# Altium PCB Evaluation Board.PcbDoc (part 3 of 22) (continued)
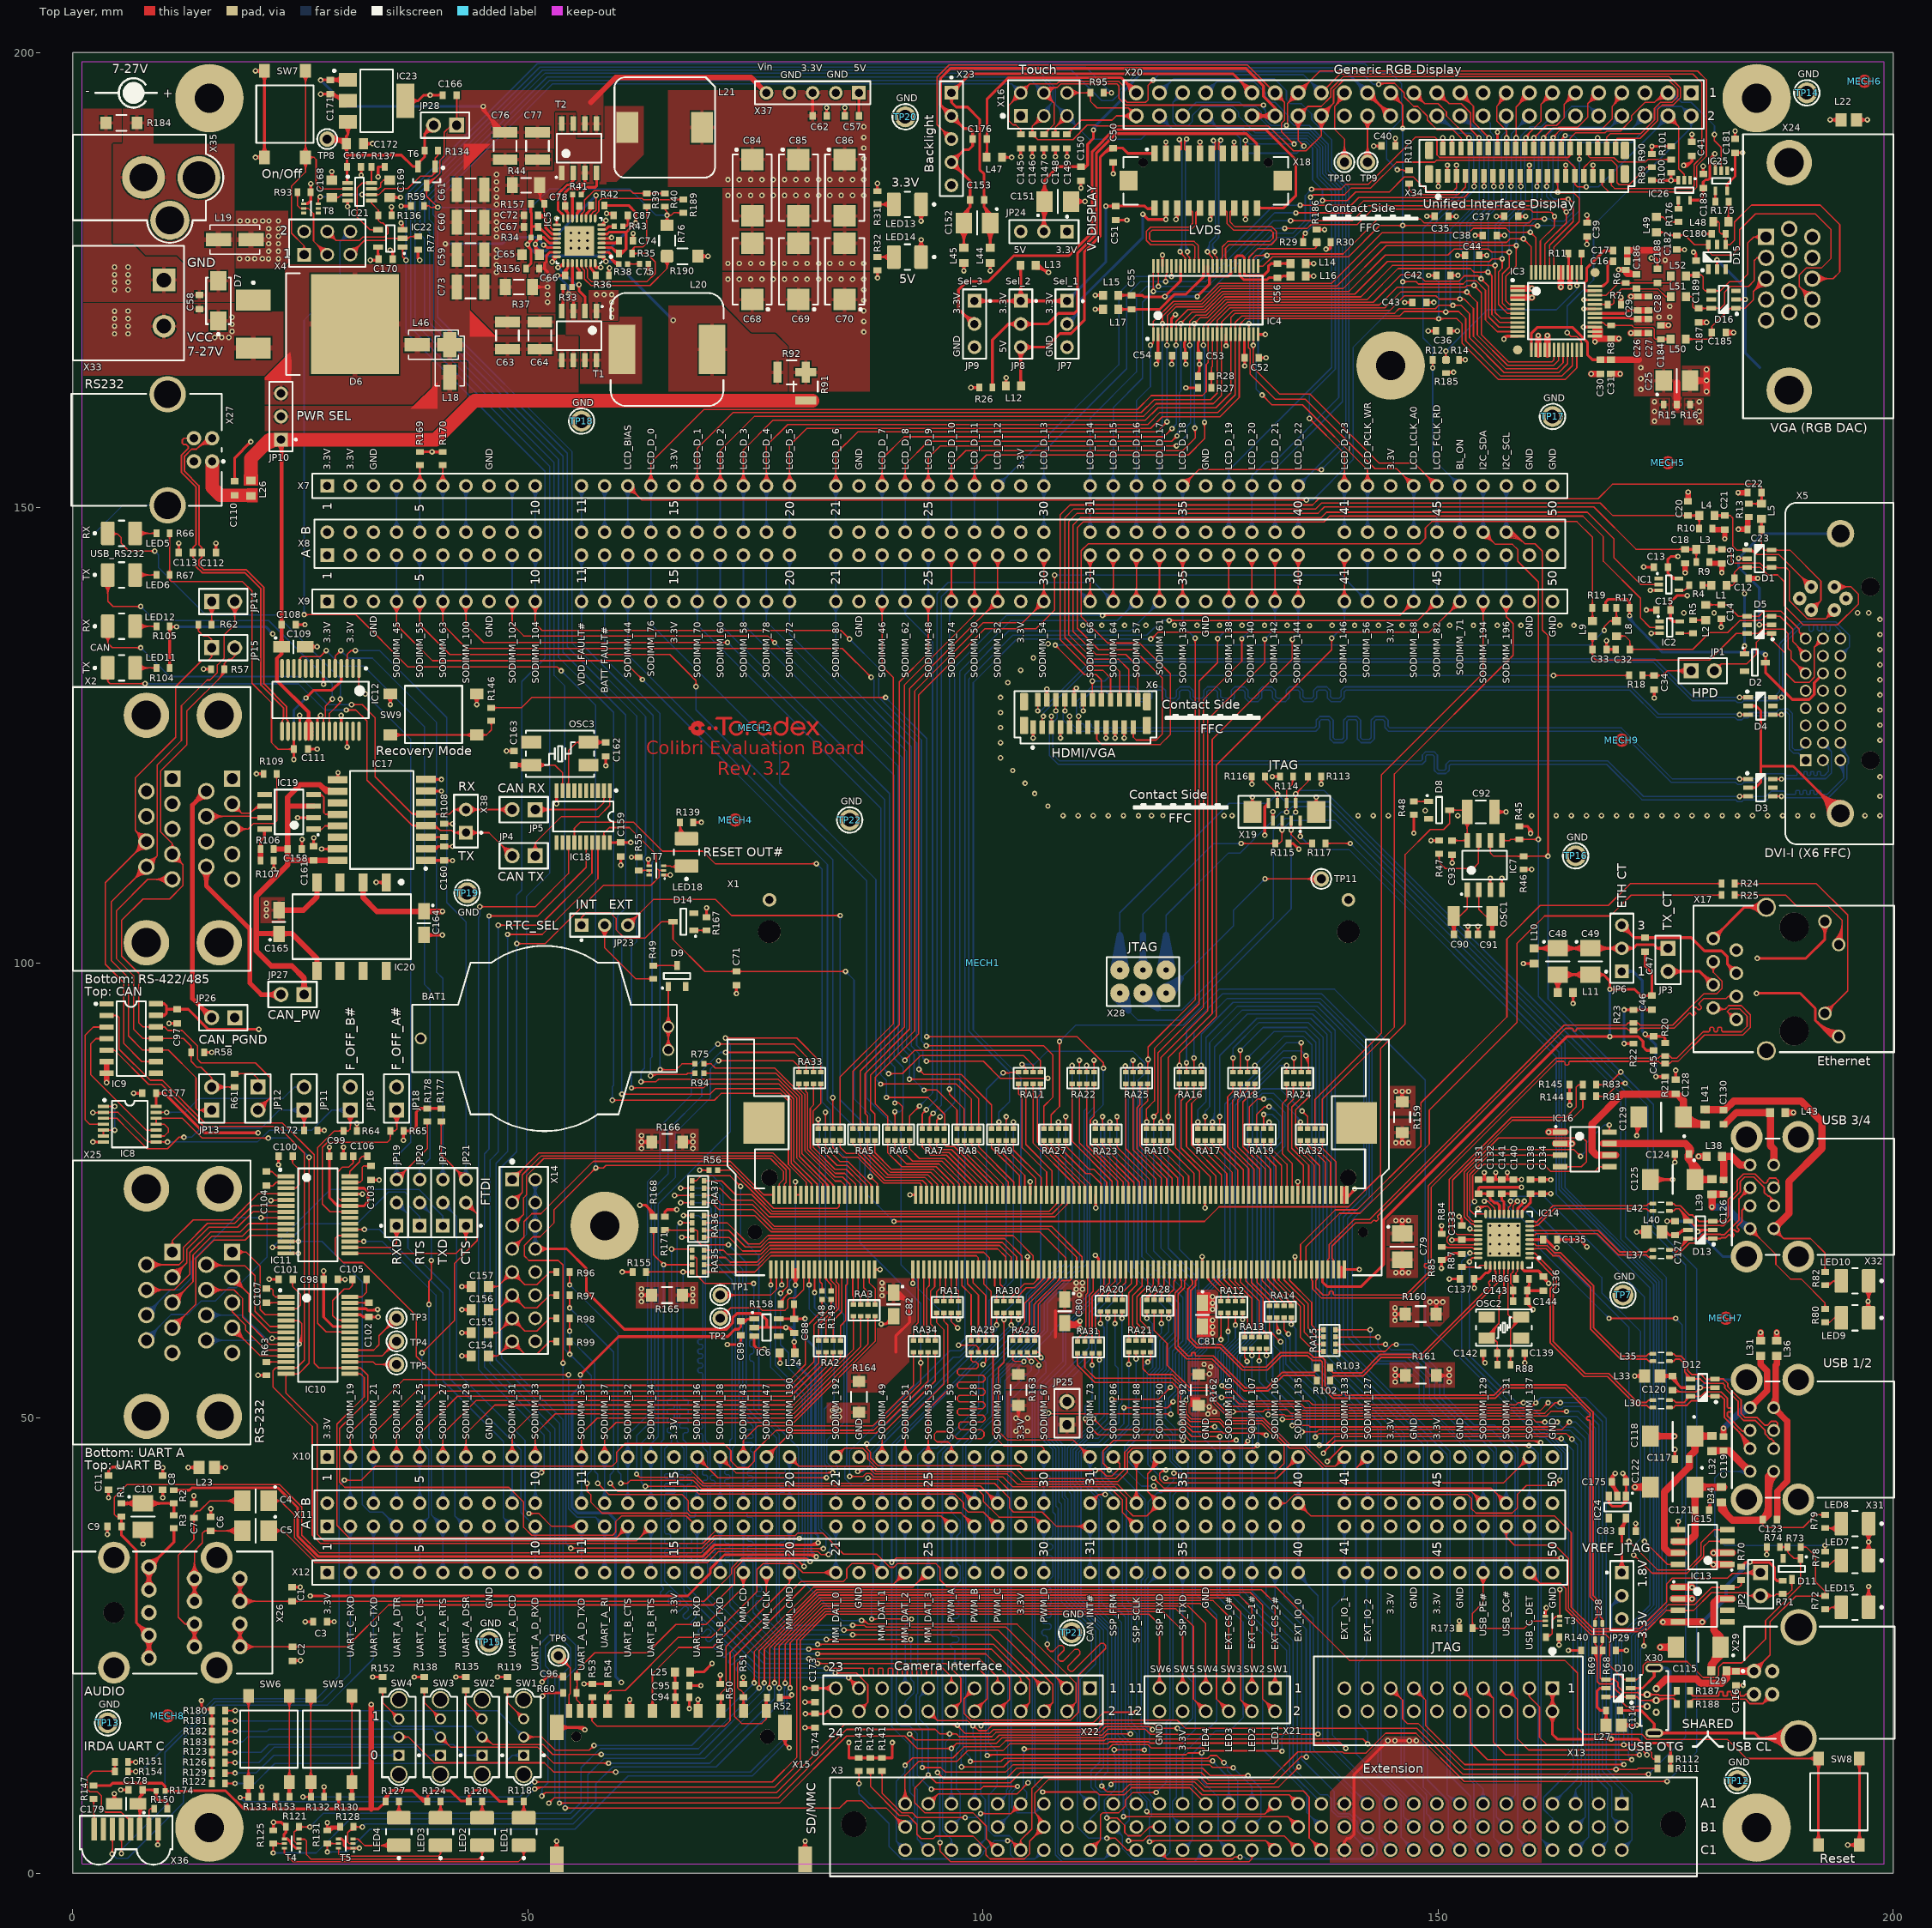
[diagram p0: Top Layer view]
## Nets (pads, with @x,y where several pads share a name; then routed paths per layer and width w, separated by ;. In a path a pad name is that pad's centre, name@x,y a point inside that pad or via, vN(x,y) a via of type N, cw(c..) or ccw(c..) an arc to the next point about the centre after c; other vN are vias at no path point) (continued)
ccw(c149.315,176.009) C42.2@149.657,175.667 ; v1@149.694,62.853 cw(c149.438,63.109) 149.438,62.747 cw(c149.438,62.385) 149.694,62.641 cw(c149.438,62.385) 149.8,62.385 cw(c150.162,62.385) 149.906,62.641 cw(c150.162,62.385) 150.162,62.747 cw(c150.162,63.109) v1@149.906,62.853 ; R160.1@149.8,61.625 v1(149.8,62.747) ; v1@149.8,62.542 ccw(c150.798,62.542) R160.1@150.092,61.836 ; R47.2@149.89,113.313 ccw(c149.592,113.014) 149.592,113.436 ccw(c149.592,113.859) R47.2@149.89,113.56 ; R161.1@150.09,54.677 v1(151.212,54.677) ; R161.1@150.115,54.357 cw(c150.888,53.584) 150.888,54.677 ; R161.1@150.115,54.993 ccw(c150.879,55.757) 150.879,54.677 ; R84.2@150.244,70.371 ccw(c149.946,70.669) 150.368,70.669 ccw(c150.79,70.669) R84.2@150.492,70.371 ; v1@150.269,71.019 cw(c150.03,70.78) 150.368,70.78 ; R84.2@150.368,70.247 150.368,71.118 v1(150.375,71.125) ; 150.368,70.746 cw(c150.754,70.746) v1@150.481,71.019 ; v1@150.394,62.641 ccw(c150.138,62.385) 150.138,62.747 ccw(c150.138,63.109) v1@150.394,62.853 ; v1(150.5,62.747) v1(149.8,62.747) ; X34.3@150.91,187.016 ccw(c150.654,187.272) 151.016,187.272 ccw(c151.378,187.272) X34.3@151.122,187.016 ; X34.3@151.016,186.46 v2@151.016,187.619 ; v1@151.106,54.083 ccw(c150.85,54.339) 151.212,54.339 ccw(c151.574,54.339) v1@151.318,54.083 ; v1@151.106,55.271 cw(c150.85,55.015) 151.212,55.015 cw(c151.574,55.015) v1@151.318,55.271 ; v1(151.212,53.977) v1(151.212,54.677) ; v1(151.212,55.377) v1(151.212,54.677) ; v1@151.318,54.571 ccw(c151.574,54.315) 151.212,54.315 ccw(c150.85,54.315) 151.106,54.571 ccw(c150.85,54.315) 150.85,54.677 ccw(c150.85,55.039) 151.106,54.783 ccw(c150.85,55.039) 151.212,55.039 ccw(c151.574,55.039) v1@151.318,54.783 ; X34.4@151.41,190.016 ccw(c151.154,190.272) 151.516,190.272 ccw(c151.878,190.272) X34.4@151.622,190.016 ; v1@151.475,69.6 151.475,69.586 v1(151.507,69.553) 151.554,69.6 C133.2@152.6,69.6 ; X34.4@151.516,189.46 v1@151.516,190.619 ; v1@151.613,69.447 cw(c151.982,69.079) 151.982,69.6 ; v1(152.13,177.721) 152.133,177.724 C44.2@152.96,177.724 ; R14.1@152.3,166.25 v1@152.965,166.25 ; C133.2@152.384,69.459 ccw(c152.042,69.117) 152.042,69.6 ccw(c152.042,70.083) C133.2@152.384,69.741 ; R14.1@152.424,166.126 cw(c152.722,165.828) 152.722,166.25 cw(c152.722,166.673) R14.1@152.424,166.374 ; C133.2@152.6,69.595 IC14.23@154.402,69.595 ; C133.2@152.816,69.459 cw(c153.145,69.13) 153.145,69.595 ; C133.2@152.816,69.741 ccw(c153.171,70.096) 153.171,69.595 ; C44.2@152.819,177.583 ccw(c152.477,177.241) 152.477,177.724 ccw(c152.477,178.207) C44.2@152.819,177.865 ; C137.2@153.796,65.062 cw(c153.454,64.72) 153.937,64.72 cw(c154.42,64.72) C137.2@154.078,65.062 ; v1(153.975,64.275) 153.937,64.313 C137.2@153.937,65.278 154.559,65.278 155.219,65.938 155.473,65.938 155.727,66.192 IC14.29@155.727,66.77 ; v1(154.068,179.915) 154.071,179.918 C38.2@154.898,179.918 ; C137.2@154.078,65.137 cw(c154.42,64.795) 154.42,65.278 cw(c154.42,65.761) C137.2@154.078,65.419 ; C131.2@154.292,74.792 ccw(c153.95,75.133) 154.433,75.133 ccw(c154.916,75.133) C131.2@154.575,74.792 ; C131.2@154.65,74.509 cw(c154.991,74.168) 154.991,74.651 cw(c154.991,75.133) C131.2@154.65,74.792 ; C38.2@154.757,179.777 ccw(c154.415,179.435) 154.415,179.918 ccw(c154.415,180.401) C38.2@154.757,180.059 ; C132.2@155.448,74.651 C131.2@154.433,74.651 154.433,75.233 154.55,75.35 v1(159.15,75.35) ; C132.2@155.487,74.509 ccw(c155.145,74.168) 155.145,74.651 ccw(c155.145,75.133) C132.2@155.487,74.792 ; 155.549,66.014 ccw(c155.118,66.445) IC14.29@155.727,66.445 ; C132.2@155.562,74.509 cw(c155.22,74.168) 155.703,74.168 cw(c156.186,74.168) C132.2@155.845,74.509 ; C132.2@155.703,74.651 155.703,74.09 156.159,73.635 156.464,73.635 156.727,73.371 IC14.15@156.727,72.42 ; v1@156.406,182.104 v1@156.409,182.107 ; v1@156.409,182.007 C37.2@157.236,182.007 ; C37.2@157.095,181.866 ccw(c156.753,181.524) 156.753,182.007 ccw(c156.753,182.49) C37.2@157.095,182.148 ; R45.2@158.902,115.017 159.803,115.017 ; v1@159.044,75.244 ccw(c158.788,74.988) 158.788,75.35 ccw(c158.788,75.712) v1@159.044,75.456 ; R45.2@159.126,114.894 cw(c159.425,114.595) 159.425,115.017 cw(c159.425,115.44) R45.2@159.126,115.141 ; IC14.36@159.227,66.77 159.227,66.373 159.45,66.15 161.05,66.15 ; IC14.10@159.227,72.42 159.227,72.752 159.7,73.225 159.724,73.225 160.135,73.637 C138.2@160.135,74.651 C134.2@161.437,74.651 v1(162.375,74.65) ; v1(159.352,99.922) L10.1@160.561,99.922 ; R46.2@159.377,110.265 v1(160.278,110.265) ; v1@159.458,99.816 cw(c159.714,99.56) 159.714,99.922 cw(c159.714,100.284) v1@159.458,100.028 ; R46.2@159.601,110.142 cw(c159.9,109.843) 159.9,110.265 cw(c159.9,110.688) R46.2@159.601,110.389 ; C138.2@159.994,74.509 cw(c159.652,74.168) 160.135,74.168 cw(c160.618,74.168) C138.2@160.277,74.509 ; v1@160.005,114.264 ccw(c159.251,114.465) 159.803,115.017 ; v1@160.044,114.331 ccw(c159.788,114.587) 160.15,114.587 ccw(c160.512,114.587) v1@160.256,114.331 ; IC14.5@160.052,69.595 160.053,69.596 C135.2@161.519,69.596 161.87,69.596 ; v1(160.15,114.225) 160.15,114.67 159.803,115.017 ; 160.171,114.65 cw(c159.831,114.31) v1@160.295,114.186 ; L10.1@160.295,99.721 ccw(c159.808,99.234) 159.808,99.922 ccw(c159.808,100.61) L10.1@160.295,100.124 ; C138.2@160.352,74.509 cw(c160.693,74.168) 160.693,74.651 cw(c160.693,75.133) C138.2@160.352,74.792 ; C134.2@161.221,74.509 ccw(c160.879,74.168) 160.879,74.651 ccw(c160.879,75.133) C134.2@161.221,74.792 ; C136.2@161.27,65.56 ccw(c160.515,65.615) 161.05,66.15 ; C135.2@161.378,69.454 ccw(c161.036,69.113) 161.036,69.596 ccw(c161.037,70.078) C135.2@161.378,69.737 ; C134.2@161.654,74.509 cw(c161.995,74.168) 161.995,74.651 cw(c161.995,75.133) C134.2@161.654,74.792 ; C135.2@161.691,69.494 cw(c161.87,69.388) 161.87,69.596 ; C135.2@161.691,69.697 ccw(c161.87,69.803) 161.87,69.596 ; C136.2@161.819,65.545 ccw(c162.852,65.545) v1@162.122,64.814 ; 162.014,74.651 ccw(c162.014,75.011) v1@162.269,74.756 ; v1(162.133,64.803) 161.544,65.392 C136.2@161.544,65.545 161.544,65.656 161.05,66.15 ; v1(163.043,68.707) 162.759,68.707 161.87,69.596 ; R140.2@163.161,25.713 cw(c162.887,25.439) 163.275,25.439 ; v1(163.275,25.075) 163.275,25.949 R140.2@163.284,25.95 ; 163.275,25.39 cw(c163.732,25.39) R140.2@163.409,25.713 ; R140.2@163.285,25.937 R140.2@163.285,25.949 ; C39.2@166.203,179.627 cw(c165.862,179.285) 166.345,179.285 cw(c166.827,179.285) C39.2@166.486,179.627 ; C39.2@166.345,179.768 166.345,178.941 v1(166.348,178.938) ; X34.36@167.41,190.016 ccw(c167.154,190.272) 167.516,190.272 ccw(c167.878,190.272) X34.36@167.622,190.016 ; X34.36@167.516,189.46 v1@167.516,190.619 ; IC24.3@168.604,41.122 cw(c168.262,40.781) 168.745,40.781 cw(c169.228,40.781) IC24.3@168.887,41.122 ; IC24.3@168.745,41.414 168.745,40.68 169.125,40.3 170.175,40.3 ; v1@170.29,43.775 cw(c170.29,43.413) 170.546,43.669 cw(c170.802,43.925) v1@170.44,43.925 ; IC24.1@170.449,41.222 cw(c169.46,41.015) 170.175,40.3 ; C175.2@170.458,43.153 ccw(c169.774,43.409) v1(170.29,43.925) 170.645,43.57 C175.2@170.645,43.008 IC24.1@170.645,41.414 170.645,40.77 170.175,40.3 ; IC24.1@170.504,41.122 cw(c170.162,40.781) 170.645,40.781 cw(c171.128,40.781) IC24.1@170.787,41.122 ; IC24.1@170.504,41.705 ccw(c170.162,42.046) 170.645,42.046 ccw(c171.128,42.046) IC24.1@170.787,41.705 ; C175.2@170.504,42.791 cw(c170.162,42.45) 170.645,42.45 cw(c171.128,42.45) C175.2@170.787,42.791 ; C175.2@170.504,43.224 ccw(c170.162,43.565) 170.645,43.565 ccw(c171.128,43.565) C175.2@170.787,43.224 ; 170.567,40.692 ccw(c170.108,41.151) IC24.1@170.743,41.284 ; 170.62,43.595 cw(c170.254,43.229) C175.2@170.739,43.048 ; R90.1@173.358,188.989 ccw(c173.06,189.287) 173.482,189.287 ccw(c173.904,189.287) R90.1@173.606,188.989 ; v1@173.376,189.595 cw(c173.12,189.339) 173.482,189.339 cw(c173.844,189.339) 173.588,189.595 cw(c173.844,189.339) 173.844,189.701 cw(c173.844,190.063) v1@173.588,189.807 ; R90.1@173.482,188.865 v1(173.482,189.701) R101.2@175.626,189.701 ; R101.2@175.402,189.577 ccw(c175.103,189.278) 175.103,189.701 ccw(c175.104,190.123) R101.2@175.402,189.825 ; v1@176.957,187.451 ccw(c177.027,188.039) 177.445,187.62 ; v1(176.975,187.6) 177.425,187.6 177.883,188.058 ; v1@176.993,187.749 ccw(c177.119,188.822) 177.883,188.058 ; v1@177.081,187.494 cw(c177.337,187.238) 177.337,187.6 cw(c177.337,187.962) v1@177.081,187.706 ; C41.2@177.742,188.493 cw(c177.4,188.151) 177.883,188.151 cw(c178.366,188.151) C41.2@178.024,188.493 ; C41.2@177.883,188.634 177.883,188.058 ; R70.2@183.302,33.666 183.781,34.145 186.369,34.145 186.975,33.539 186.975,32.35 187.201,32.124 R71.1@187.84,32.124 ; R70.2@183.577,33.666 cw(c184.241,33.666) 183.771,34.135 ; 183.82,34.145 ccw(c183.82,34.615) v1@184.153,34.283 ; v1@184.365,34.283 ccw(c184.698,34.615) 184.698,34.145 ; v1(184.975,96.65) 185,96.675 189.75,96.675 191.44,94.985 191.44,93.685 193.223,91.902 ; v1(185.05,100.5) 190.4,100.5 192.49,102.59 X17.12@192.49,104.552 ; v1@185.081,96.544 cw(c185.397,96.228) 185.397,96.675 ; v1@185.081,96.756 ccw(c185.277,96.952) 185.277,96.675 ; v1@185.156,100.394 cw(c185.412,100.138) 185.412,100.5 cw(c185.412,100.862) v1@185.156,100.606 ; R71.1@187.616,32 ccw(c187.318,31.702) 187.318,32.124 ccw(c187.318,32.547) R71.1@187.616,32.248 ; 191.642,93.483 ccw(c194.01,95.85) X17.9@194.01,92.502 ; X17.12@192.066,104.128 cw(c191.042,103.103) 192.49,103.103 cw(c193.939,103.103) X17.12@192.914,104.128 ; 192.155,92.97 ccw(c194.01,94.826) X17.9@194.01,92.202 ; 192.667,92.458 ccw(c194.01,93.802) X17.9@194.01,91.902 193.223,91.902 ; 193.179,91.946 ccw(c194.01,92.777) X17.9@194.01,91.602 ; X17.9@193.432,91.743 ccw(c193.223,91.686) 193.223,91.902 ; X17.9@193.432,92.061 cw(c193.223,92.118) 193.223,91.902 ; 10,94.178 10.272,94.45 ; 29.2,7.05 32.777,7.05 33.54,7.05 R127.2@34.364,7.874 34.364,8.414 35.025,9.075 37.3,9.075 38.501,7.874 R124.2@38.936,7.874 38.975,7.913 38.975,8.5 39.525,9.05 41.5,9.05 42.625,7.925 43.175,7.925
  Top Layer w0.6: 32.777,7.05 v1(32.775,18.525)
  Top Layer w0.8: v1(174.698,27.589) IC13.4@176.37,27.589 v1(179.019,27.589)
  Bottom Layer w0.3: v1(11.375,136.925) 21.175,136.925 v1(21.95,136.15) ; v1@11.481,136.819 cw(c11.737,136.563) 11.737,136.925 cw(c11.737,137.287) v1@11.481,137.031 ; v1@21.8,136.15 ccw(c21.438,136.15) 21.694,136.406 ccw(c21.95,136.662) v1@21.95,136.3 ; v1(184.259,34.177) 184.259,34.161 v1@184.275,34.145
  Bottom Layer w0.4: v1(179.019,27.589) 181.625,30.195 181.625,31.527 v1@184.259,34.161
  other v1: 85.255,14.35 147.6,14.55 103.6,48.55 104.879,48.549 103.6,49.995 104.879,49.995 83.5,50.125 84.2,50.125 124.7,50.45 125.425,50.675 83.5,50.825 84.2,50.825 124.85,51.225 20.333,54.706 62.456,62.8 62.456,64.2 173.761,159.509 173.761,160.579 173.761,161.648 152.977,166.25 148.968,175.523 148.752,182.023 156.406,182.004 71.971,186.038 73.215,186.038 74.458,186.038 75.702,186.038 76.945,186.038 78.189,186.038 79.432,186.038 80.676,186.038 81.919,186.038 83.163,186.038 84.406,186.038 85.65,186.038 86.893,186.038 86.893,187.198 86.893,188.359 86.893,189.519 151.516,190.63 167.516,190.63 86.893,190.68 86.893,191.841
  other v2: 151.016,187.63
3.3V_COLIBRI: C79.1 C80.1 C81.1 C82.1 JP25.2 R159.2 R160.2 R161.2 R162.2 R163.2 R164.2 R165.2 R166.2 X1.42 X1.84 X1.108 X1.148 X1.182 X1.198 X1.200 | length 77.6
  Top Layer w0.3: R165.2@66.724,63.5 v1(68.1,63.5) ; R166.2@67,80.325 v1(68.122,80.325) ; R165.2@67.296,63.182 cw(c68.064,62.414) 68.064,63.5 cw(c68.064,64.586) R165.2@67.296,63.818 ; R166.2@67.318,80.007 cw(c68.086,79.239) 68.086,80.325 cw(c68.086,81.411) R166.2@67.318,80.643 ; v1@67.994,63.394 ccw(c67.738,63.138) 67.738,63.5 ccw(c67.738,63.862) v1@67.994,63.606 ; v1@68.016,80.219 ccw(c67.76,79.963) 67.76,80.325 ccw(c67.76,80.687) v1@68.016,80.431 ; C82.1@90.037,63.913 cw(c90.299,63.118) 90.891,63.709 ; C82.1@90.131,63.628 cw(c90.469,62.599) 91.235,63.365 ; C82.1@90.17,63.784 90.816,63.784 ; C82.1@90.225,63.343 cw(c90.64,62.08) 91.58,63.02 ; C82.1@90.318,63.058 cw(c90.811,61.561) 91.925,62.675 ; 90.425,57.225 90.425,59.025 91.925,60.525 91.925,62.675 ; C82.1@90.623,63.642 cw(c90.816,63.582) 90.816,63.784 ; C82.1@90.623,63.926 ccw(c90.816,63.986) 90.816,63.784 ; v2(91.966,74.516) X1.42@92.582,74.516 ; X1.84@105.182,74.516 v1(105.182,75.958) ; 107.95,58.875 107.95,61.775 ; v2(112.382,73.075) X1.108@112.382,74.516 ; C81.1@123.619,62.341 123.619,61.584 124.442,61.584 ; C81.1@123.619,62.923 123.619,63.68 124.442,63.68 ; C81.1@124.094,62.634 124.82,62.634 ; 124.294,61.584 124.869,61.584 124.82,61.633 124.82,62.634 ; 124.294,63.684 124.869,63.684 124.869,62.758 124.82,62.709 124.82,62.634 ; v2(124.382,73.075) X1.148@124.382,74.516 ; C81.1@124.435,62.303 cw(c125.216,61.547) v1(125.216,62.634) ; C81.1@124.435,62.965 ccw(c125.216,63.721) v1(125.216,62.634) ; v1@125.11,62.04 ccw(c124.854,62.296) 125.216,62.296 ccw(c125.578,62.296) v1@125.322,62.04 ; v1@125.11,62.528 cw(c124.854,62.272) 125.216,62.272 cw(c125.578,62.272) v1@125.322,62.528 ; v1@125.11,62.74 ccw(c124.854,62.996) 125.216,62.996 ccw(c125.578,62.996) v1@125.322,62.74 ; v1@125.11,63.228 cw(c124.854,62.972) 125.216,62.972 cw(c125.578,62.972) v1@125.322,63.228 ; v1(125.216,61.934) v1(125.216,62.634) ; v1(125.216,63.334) v1(125.216,62.634) ; X1.182@134.582,74.516 v1(134.582,75.958) ; X1.198@139.364,75.324 cw(c138.598,74.557) 139.682,74.557 ; X1.198@139.382,74.516 139.682,74.516 ; 139.682,75.3 139.682,74.516 ; X1.200@140.007,73.696 cw(c140.927,73.856) 140.266,74.516 ; 140.498,74.748 ccw(c140.071,75.175) v1@140.675,75.175 ; v1(140.825,75.175) 140.825,75.075 140.266,74.516 ; v1@145.146,60.824 ccw(c144.89,61.08) 145.252,61.08 ccw(c145.614,61.08) v1@145.358,60.824 ; v1@145.146,61.312 cw(c144.89,61.056) 145.252,61.056 cw(c145.614,61.056) 145.358,61.312 cw(c145.614,61.056) 145.614,61.418 cw(c145.614,61.78) 145.358,61.524 cw(c145.614,61.78) 145.252,61.78 cw(c144.89,61.78) v1@145.146,61.524 ; v1@145.146,62.012 cw(c144.89,61.756) 145.252,61.756 cw(c145.614,61.756) v1@145.358,62.012 ; v1@145.169,54.081 ccw(c144.913,54.337) 145.275,54.337 ccw(c145.637,54.337) v1@145.381,54.081 ; v1@145.169,54.569 cw(c144.913,54.313) 145.275,54.313 cw(c145.637,54.313) 145.381,54.569 cw(c145.637,54.313) 145.637,54.675 cw(c145.637,55.037) 145.381,54.781 cw(c145.637,55.037) 145.275,55.037 cw(c144.913,55.037) v1@145.169,54.781 ; v1@145.169,55.269 cw(c144.913,55.013) 145.275,55.013 cw(c145.637,55.013) v1@145.381,55.269 ; v1(145.252,60.718) v1(145.252,61.418) ; v1(145.252,62.118) v1(145.252,61.418) ; v1(145.275,53.975) v1(145.275,54.675) ; v1(145.275,55.375) v1(145.275,54.675) ; v1(145.35,71.69) v1(146.05,71.69) ; v1(145.35,80.236) v1(146.05,80.236) ; v1@145.456,71.584 cw(c145.712,71.328) 145.712,71.69 cw(c145.712,72.052) v1@145.456,71.796 ; v1@145.456,80.13 cw(c145.712,79.874) 145.712,80.236 cw(c145.712,80.598) v1@145.456,80.342 ; C79.1@145.632,70.907 ccw(c145.107,71.69) v1(146.05,71.69) ; R159.2@145.732,81.04 cw(c144.964,80.272) 146.05,80.272 cw(c147.136,80.272) R159.2@146.368,81.04 ; v1@145.944,71.584 ccw(c145.688,71.328) 145.688,71.69 ccw(c145.688,72.052) v1@145.944,71.796 ; v1@145.944,80.13 ccw(c145.688,79.874) 145.688,80.236 ccw(c145.688,80.598) 145.944,80.342 ccw(c145.688,80.598) 146.05,80.598 ccw(c146.412,80.598) 146.156,80.342 ccw(c146.412,80.598) 146.412,80.236 ccw(c146.412,79.874) v1@146.156,80.13 ; C79.1@146.05,70.568 v1(146.05,71.69) ; R159.2@146.05,81.358 v1(146.05,80.236) ; R160.2@146.056,61.1 ccw(c145.288,60.332) 145.288,61.418 ccw(c145.288,62.504) R160.2@146.056,61.736 ; R161.2@146.079,54.357 ccw(c145.311,53.589) 145.311,54.675 ccw(c145.311,55.761) R161.2@146.079,54.993 ; v1@146.156,71.584 cw(c146.412,71.328) 146.412,71.69 cw(c146.412,72.052) v1@146.156,71.796 ; R160.2@146.374,61.418 v1(145.252,61.418) ; R161.2@146.397,54.675 v1(145.275,54.675) ; C79.1@146.468,70.907 cw(c146.993,71.69) v1(146.05,71.69) ; v1@146.644,71.584 ccw(c146.388,71.328) 146.388,71.69 ccw(c146.388,72.052) v1@146.644,71.796 ; v1@146.644,80.13 ccw(c146.388,79.874) 146.388,80.236 ccw(c146.388,80.598) v1@146.644,80.342 ; v1(146.75,71.69) v1(146.05,71.69) ; v1(146.75,80.236) v1(146.05,80.236) ; 90.816,63.784 91.925,62.675 ; 124.82,62.634 v1(125.216,62.634) ; 139.682,73.657 cw(c139.833,73.506) 139.966,73.672 ccw(c139.833,73.492) 139.675,73.65 139.682,73.657 ; 139.682,73.657 139.682,74.516 ; 139.682,74.516 X1.200@139.982,74.516 140.266,74.516
  other v1: 124.875,54.85 125,55.625 124.275,55.9 68.1,62.8 88.9,63.45 110.575,63.525 88.9,64.15 110.225,64.15 110.925,64.15 68.1,64.2 88.9,64.85 110.225,64.85 110.925,64.85 68.122,79.625 68.122,81.025
3.3V_DISP: C176.2 L47.2 X20.49 | length 32.2
  Top Layer w0.3: L47.2@100.196,188.755 ccw(c99.613,189.338) 100.438,189.338 ; C176.2@100.259,190.284 cw(c99.826,189.85) 100.438,189.85 ; C176.2@100.259,190.716 ccw(c99.826,191.15) 100.438,191.15 ; L47.2@100.438,188.488 100.438,190.012 100.438,194.913 102.755,197.23 115.19,197.23 X20.49@116.84,195.58 ; 100.438,189.144 ccw(c100.989,189.144) L47.2@100.6,188.755 ; 100.438,190.966 ccw(c100.791,190.966) C176.2@100.541,190.716 ; X20.49@116.165,195.58 ccw(c114.535,195.58) 115.688,196.732 ccw(c116.84,197.885) X20.49@116.84,196.255 ; X20.49@116.465,195.58 ccw(c115.56,195.58) 116.2,196.22 ccw(c116.84,196.86) X20.49@116.84,195.955 ; 100.438,190.034 cw(c100.791,190.034) C176.2@100.541,190.284 ; 100.438,190.034 cw(c100.791,190.034) C176.2@100.541,190.284 ; 100.438,190.034 cw(c100.791,190.034) C176.2@100.541,190.284 ; C176.2@100.299,190.252 cw(c100.158,190.01) 100.438,190.01 ccw(c100.158,190.01) C176.2@100.299,190.252
3.3V_SD: C94.2 C95.2 L25.1 X15.4 | length 9.7
  Top Layer w0.3: X15.4@65.929,18.305 ccw(c65.331,18.903) 66.176,18.903 ccw(c67.021,18.903) X15.4@66.423,18.305 ; L25.1@65.934,21.831 cw(c65.351,21.248) 66.176,21.248 ; C94.2@66.035,19.121 cw(c65.693,18.779) 66.176,18.779 cw(c66.659,18.779) C94.2@66.317,19.121 ; C94.2@66.035,19.553 ccw(c65.693,19.895) 66.176,19.895 ccw(c66.659,19.895) C94.2@66.317,19.553 ; C95.2@66.035,20.391 cw(c65.693,20.049) 66.176,20.049 cw(c66.659,20.049) C95.2@66.317,20.391 ; C95.2@66.035,20.823 ccw(c65.693,21.165) 66.176,21.165 ccw(c66.659,21.165) C95.2@66.317,20.823 ; X15.4@66.176,17.808 C94.2@66.176,19.337 C95.2@66.176,20.607 L25.1@66.176,22.098 ; 66.176,21.441 cw(c66.728,21.441) L25.1@66.338,21.831
5V: C13.2 C15.2 C57.2 C68.1 C69.1 C70.1 C89.2 C164.1 C174.2 C181.2 C183.2 D2.1 IC1.5 IC2.5 IC6.1 IC13.2 IC15.2 IC16.2 IC20.3 IC25.5 IC26.5 JP24.3 L12.1 L27.2 L33.1 L40.1 L44.1 R16.1 R32.1 R57.2 R91.2 R92.2 X3.A25 X3.B19 X3.B29 X3.C25 X22.24 X37.1 | length 151.1
  Top Layer w0.3: v1@14.359,132.275 R57.2@15.175,132.275 ; v1@14.462,132.172 cw(c14.711,131.923) 14.711,132.275 ; R57.2@15.067,132.151 ccw(c14.769,131.853) 14.769,132.275 ccw(c14.769,132.697) R57.2@15.067,132.399 ; IC20.3@31.875,108.804 IC20.3@31.894,108.823 ; v1(55.75,54.75) 59.95,58.95 71.926,58.95 72.716,59.74 73.115,59.74 73.377,60.002 C89.2@73.377,60.64 73.865,60.64 ; v1@55.75,54.9 ccw(c55.75,55.262) 56.006,55.006 ccw(c56.262,54.75) v1@55.9,54.75 ; C89.2@73.236,60.499 cw(c72.894,60.157) 73.377,60.157 cw(c73.86,60.157) C89.2@73.518,60.499 ; C89.2@73.395,60.558 ccw(c73.585,60.832) 73.821,60.596 ; C89.2@73.566,60.804 ccw(c73.793,61.132) 74.075,60.85 ; C89.2@73.609,60.516 cw(c73.865,60.314) 73.865,60.64 ; C89.2@73.609,60.764 ccw(c73.865,60.966) 73.865,60.64 ; 74.132,60.85 ccw(c74.132,61.362) IC6.1@74.494,61 ; IC6.1@74.85,60.894 74.806,60.85 74.075,60.85 ; v1(80.467,17.501) C174.2@81.572,17.501 ; v1@80.573,17.395 cw(c80.83,17.138) 80.83,17.501 cw(c80.83,17.863) v1@80.573,17.607 ; 80.883,17.501 ccw(c80.883,18.115) C174.2@81.318,17.68 ; 81.069,17.501 cw(c81.069,17.149) C174.2@81.318,17.398 ; C174.2@81.534,17.539 C174.2@81.572,17.501 ; C174.2@81.75,17.398 cw(c81.999,17.149) 81.999,17.501 ; C174.2@81.75,17.68 ccw(c82.185,18.115) 82.185,17.501 ; X22.24@83.282,17.514 ccw(c82.855,17.304) 82.855,17.78 ; X22.24@83.282,18.046 cw(c82.855,18.256) 82.855,17.78 ; X22.24@83.82,17.78 82.855,17.78 ; C57.2@86.219,193.256 ccw(c85.877,193.598) 86.36,193.598 ccw(c86.843,193.598) C57.2@86.501,193.256 ; C57.2@86.36,193.04 X37.1@86.36,195.58 ; R32.1@88.268,175.958 cw(c87.945,175.636) 88.402,175.636 ; v1@88.296,175.348 ccw(c88.04,175.604) 88.402,175.604 ccw(c88.764,175.604) v1@88.508,175.348 ; v1(88.402,175.242) R32.1@88.402,176.089 ; 88.402,175.684 cw(c88.79,175.684) R32.1@88.516,175.958 ; L44.1@100.588,176.682 cw(c100.101,176.196) 100.789,176.196 cw(c101.477,176.196) L44.1@100.991,176.682 ; v1(100.789,176.023) L44.1@100.789,176.924 ; L12.1@102.298,163.641 ccw(c101.715,164.225) v1@102.54,164.225 ; L12.1@102.54,163.375 v1(102.54,164.275) ; v1@102.54,164.031 ccw(c103.091,164.031) L12.1@102.702,163.641 ; L27.2@170.146,16.256 v1(171.831,16.256) ; L27.2@170.465,15.938 cw(c171.233,15.17) 171.233,16.256 cw(c171.233,17.342) L27.2@170.465,16.574 ; v1@171.725,16.15 ccw(c171.469,15.894) 171.469,16.256 ccw(c171.469,16.618) v1@171.725,16.362 ; L33.1@172.356,54.294 ccw(c171.602,53.553) v1(171.602,54.61) ; L33.1@172.356,54.926 cw(c171.602,55.667) v1(171.602,54.61) ; L40.1@172.565,70.117 ccw(c171.812,69.376) v1(171.812,70.433) ; L40.1@172.565,70.749 cw(c171.812,71.49) v1(171.812,70.433) ; L33.1@172.677,54.61 v1(171.602,54.61) ; L40.1@172.886,70.433 v1(171.812,70.433) ; C13.2@175.097,143.254 cw(c174.755,142.913) 175.238,142.913 cw(c175.721,142.913) C13.2@175.379,143.254 ; C13.2@175.097,143.687 ccw(c174.755,144.028) 175.238,144.028 ccw(c175.721,144.028) C13.2@175.379,143.687 ; C15.2@175.389,138.536 cw(c175.047,138.195) 175.53,138.195 cw(c176.013,138.195) C15.2@175.671,138.536 ; C15.2@175.389,138.969 ccw(c175.047,139.31) 175.53,139.31 ccw(c176.013,139.31) C15.2@175.671,138.969 ; 175.507,142.54 ccw(c176.159,143.192) IC1.5@176.159,142.27 ; v1@176.244,144.544 ccw(c175.988,144.288) 175.988,144.65 ccw(c175.988,145.012) v1@176.244,144.756 ; v1(176.35,144.65) 175.553,144.65 175.238,144.336 C13.2@175.238,143.47 175.238,142.808 175.827,142.22 IC1.5@176.434,142.22 ; IC2.5@176.534,137.501 175.759,137.501 175.53,137.73 175.53,139.655 176.225,140.35 v1(177.375,140.35) ; v1@177.269,140.244 ccw(c177.013,139.988) 177.013,140.35 ccw(c177.013,140.712) v1@177.269,140.456 ; IC26.5@177.688,183.785 178.76,183.785 179.12,184.145 C183.2@179.12,185.124 179.12,185.77 179.374,186.024 179.669,186.024 179.845,186.2 179.845,188.32 v1(180.4,188.875) ; C183.2@178.979,184.983 cw(c178.637,184.641) 179.12,184.641 cw(c179.603,184.641) C183.2@179.261,184.983 ; C183.2@178.979,185.265 ccw(c178.637,185.607) 179.12,185.607 ccw(c179.603,185.607) C183.2@179.261,185.265 ; v1@180.25,188.875 cw(c179.888,188.875) 180.144,188.619 cw(c180.4,188.363) v1@180.4,188.725 ; IC25.5@181.752,184.801 181.752,185.527 182.626,186.401 C181.2@182.626,188.992 v1(183.46,188.992) ; C181.2@182.485,188.851 cw(c182.143,188.509) 182.626,188.509 cw(c183.109,188.509) C181.2@182.767,188.851 ; C181.2@182.842,188.851 cw(c183.184,188.509) 183.184,188.992 cw(c183.184,189.475) C181.2@182.842,189.133 ; D2.1@183.56,134.053 ccw(c183.304,134.309) 183.666,134.309 ccw(c184.028,134.309) D2.1@183.772,134.053 ; v1@183.56,134.706 cw(c183.304,134.449) 183.666,134.449 cw(c184.028,134.449) v1@183.772,134.706 ; D2.1@183.666,133.947 v1(183.666,134.812) ; 73.865,60.64 74.075,60.85 ; C174.2@81.572,17.501 82.575,17.501 82.855,17.78
  Top Layer w0.6: 31.875,107.795 cw(c32.423,107.795) IC20.3@32.036,108.182 ; IC20.3@31.875,108.804 31.875,107.175 33.386,105.664 C164.1@38.564,105.664 v1(40.596,105.664) ; C164.1@38.334,105.434 ccw(c37.78,104.88) 37.78,105.664 ccw(c37.78,106.449) C164.1@38.334,105.894 ; C164.1@38.794,105.434 cw(c39.349,104.88) 39.349,105.664 cw(c39.349,106.449) C164.1@38.794,105.894
  Top Layer w0.8: IC16.2@162.882,80.137 v1(164.694,80.137) ; IC13.2@175.825,30.129 v1(177.894,30.129) ; v1(180.246,35.179) IC15.2@182.315,35.179
  Bottom Layer w0.3: v1@55.644,54.644 cw(c55.388,54.388) 55.75,54.388 cw(c56.112,54.388) v1@55.856,54.644 ; v1(55.75,54.75) 55.75,53.475 54.83,52.555 54.83,40.205 55.46,39.575 58.825,39.575 59.625,38.775 59.625,21.575 v1(60.25,20.95) ; v1@60.1,20.95 ccw(c59.738,20.95) 59.994,21.206 ccw(c60.25,21.462) v1@60.25,21.1 ; v1@183.56,134.918 ccw(c183.304,135.174) 183.666,135.174 ccw(c184.028,135.174) v1@183.772,134.918 ; v1@183.56,140.469 cw(c183.304,140.213) 183.666,140.213 cw(c184.028,140.213) v1@183.772,140.469 ; v1(183.666,134.812) v1@183.666,140.566
  other v1: 14.356,132.278 183.666,140.575 178.689,159.509 178.689,160.579 178.689,161.648 86.893,169.306 86.893,170.466 86.893,171.627 86.893,172.788 86.893,173.948 71.971,175.109 73.215,175.109 74.458,175.109 75.702,175.109 76.945,175.109 78.189,175.109 79.432,175.109 80.676,175.109 81.919,175.109 83.163,175.109 84.406,175.109 85.65,175.109 86.893,175.109